# Altium PCB 39-996 - SM Clock-Timer.PcbDoc
Units mm, origin at the board's own origin, x right, y up, seen from the top; angles counter-clockwise.
Board outline 127.59 x 39.93 mm, 2 copper layers (Top Layer, Bottom Layer), stack 1.571 mm thick; 75 components, 70 nets, 286 pads, 93 vias.
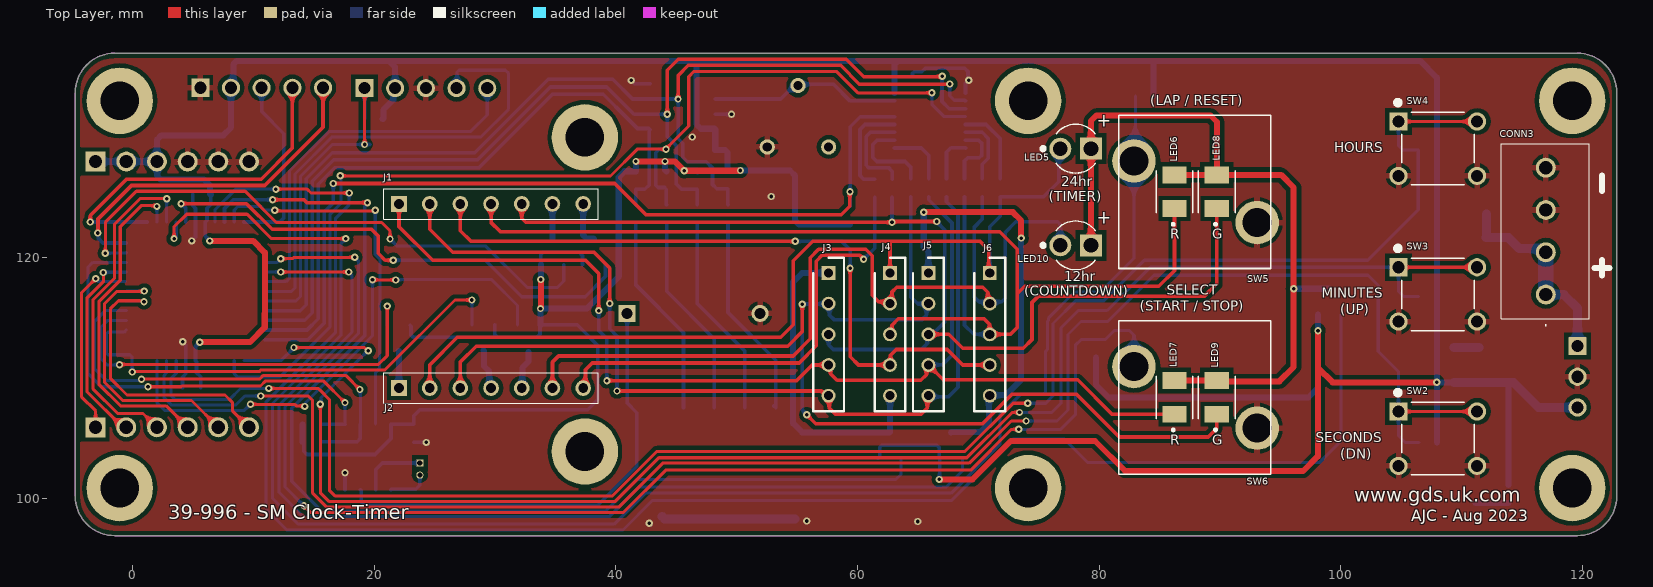
[diagram p0: Top Layer view]
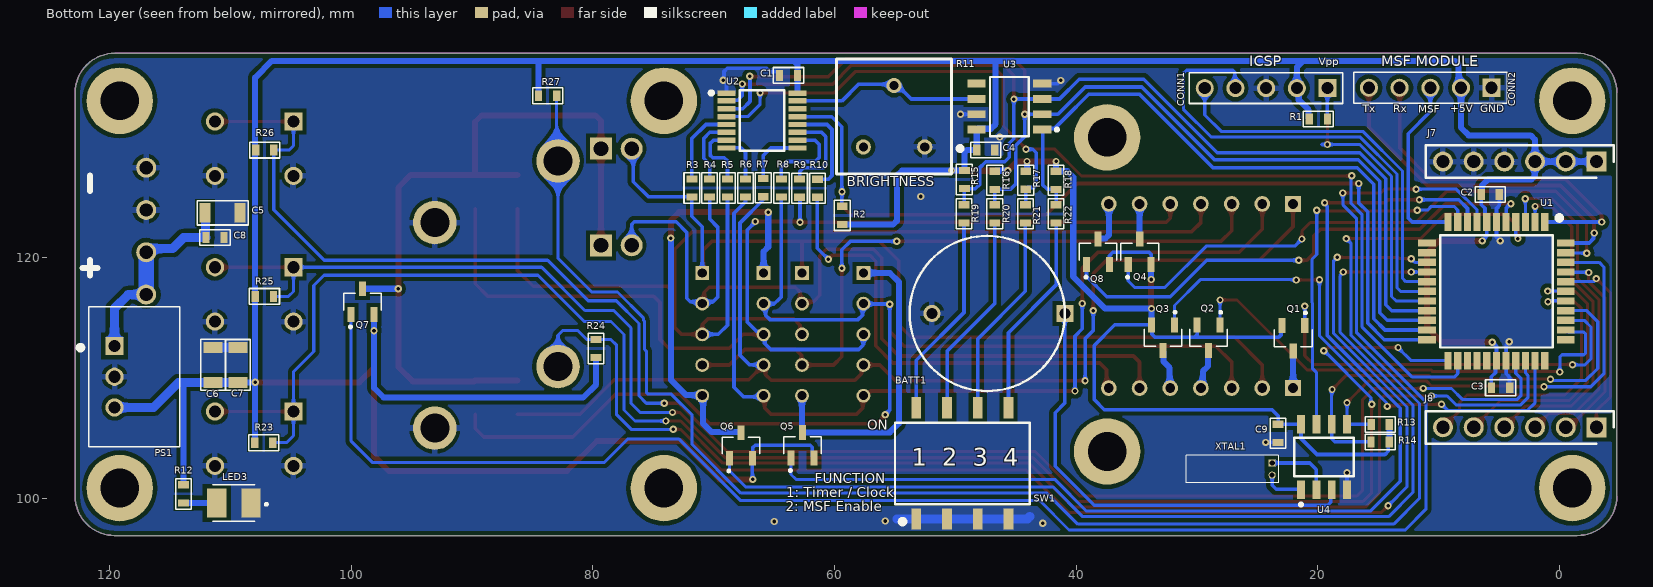
[diagram p1: Bottom Layer view, seen from below]
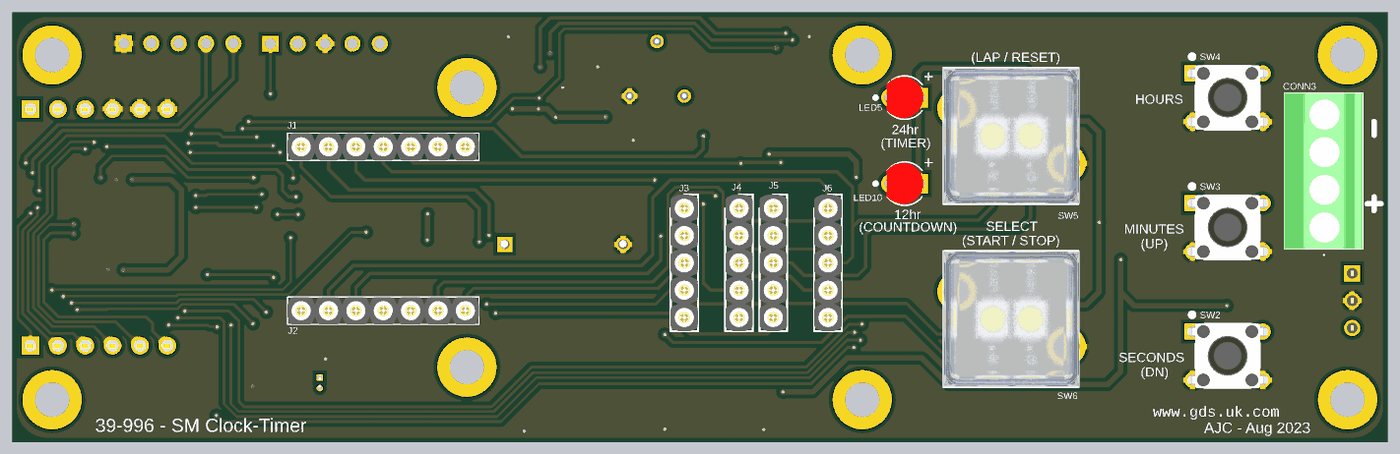
[diagram p2: 3D render of the assembled board from above, using the file's embedded part models]
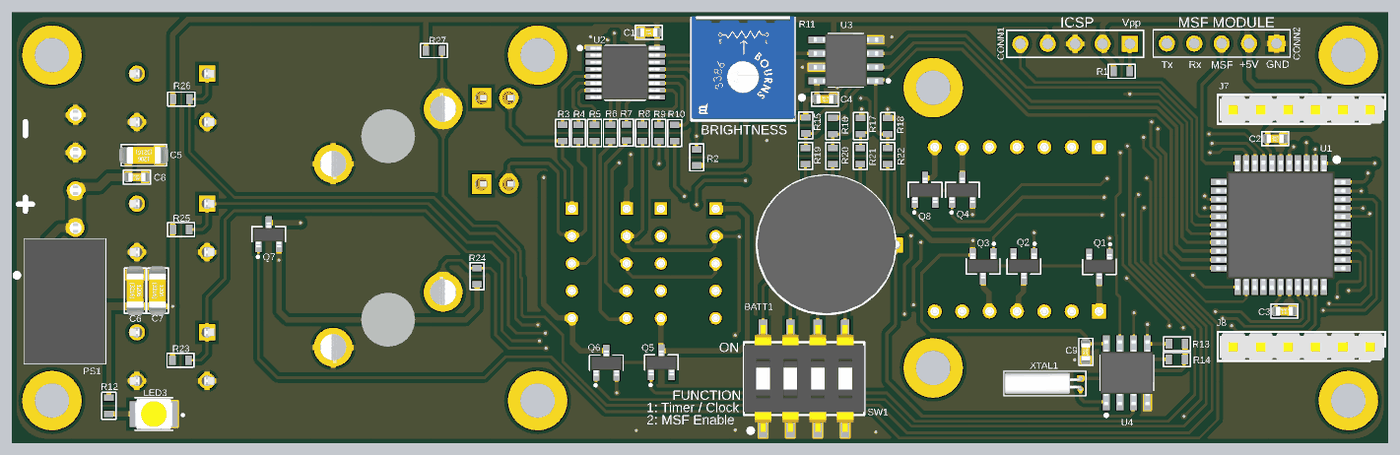
[diagram p3: 3D render of the assembled board from below, using the file's embedded part models]

## Layer stack, top to bottom
Top Solder: solder mask 0.0102, Solder Resist, Dk 3.5
Top Layer: signal copper 0.0356
Dielectric 1: dielectric 1.5, FR-4, Dk 4.8
Bottom Layer: signal copper 0.0356
Bottom Solder: solder mask 0.0102, Solder Resist, Dk 3.5

## Board outline
-4.75,100.189 -4.75,133.615 cw(c-1.499,133.614) -1.5,136.865 119.588,136.865 cw(c119.587,133.614) 122.838,133.615 122.838,100.189 cw(c119.587,100.19) 119.588,96.939 -1.5,96.939 cw(c-1.499,100.19)

## Design rules (kind name [scope] priority, off if disabled: settings)
AssemblyTestPointUsage AssemblyTestPointUsage_1 [All] p1:
AssemblyTestpoint AssemblyTestpoint_1 [All] p1: testpointundercomponent=TRUE minsize=1.016 maxsize=2.54 preferedsize=1.524 minholesize=0 maxholesize=1.016 preferedholesize=0.813 testpointgrid=0.025 usegrid=TRUE gridtolerance=0 allowsidetop=TRUE allowsidebottom=TRUE
Clearance Clearance_1 [All] p1: gap=0.35 ignorepadtopadclearanceinfootprint=FALSE except(0: Arc-Hole Track-Hole SMDPad-Hole THPad-Hole Via-Hole Fill-Hole Poly-Hole Region-Hole Text-Hole; 0.2: Arc-Arc Arc-Track Arc-SMDPad Arc-THPad Arc-Via Track-Track Track-SMDPad Track-THPad Track-Via Track-Region SMDPad-SMDPad SMDPad-THPad SMDPad-Via SMDPad-Region THPad-THPad THPad-Via Via-Via)
ComponentClearance ComponentClearance_1 [All] p1: gap=0.254 collisioncheckmode=3 verticalgap=0.254 showdistances=FALSE
DiffPairsRouting DiffPairsRouting_1 [All] p1: maxlimit=0.254 minlimit=0.254 mostfreqgap=0.254 toplayer_minwidth=0.381 toplayer_maxwidth=0.381 toplayer_prefwidth=0.381 bottomlayer_minwidth=0.381 bottomlayer_maxwidth=0.381 bottomlayer_prefwidth=0.381 maxuncoupledlength=12.7
FabricationTestPointUsage FabricationTestPointUsage_1 [All] p1: valid=0 allowmultiple=FALSE
FabricationTestpoint FabricationTestpoint_1 [All] p1: side=3 testpointundercomponent=TRUE minsize=1.016 maxsize=2.54 preferedsize=1.524 minholesize=0 maxholesize=1.016 preferedholesize=0.813 testpointgrid=0.025 allowsidetop=TRUE allowsidebottom=TRUE usegrid=TRUE gridtolerance=0
FanoutControl Fanout_BGA_1 [IsBGA] p1: bgadir=Out bgaviamode=Centered fanoutstyle=Auto fanoutdirection=Alternating viagrid=0.025 // Fanout_BGA (Default Rule)
FanoutControl Fanout_LCC_1 [IsLCC] p2: bgadir=Out bgaviamode=Centered fanoutstyle=Auto fanoutdirection=Alternating viagrid=0.025 // Fanout_LCC (Default Rule)
FanoutControl Fanout_SOIC_1 [IsSOIC] p3: bgadir=Out bgaviamode=Centered fanoutstyle=Auto fanoutdirection=Alternating viagrid=0.025 // Fanout_SOIC (Default Rule)
FanoutControl Fanout_Small_1 [(CompPinCount < 5)] p4: bgadir=Out bgaviamode=Centered fanoutstyle=Auto fanoutdirection=OutThenIn viagrid=0.025 // Fanout_Small (Default Rule)
FanoutControl Fanout_Default_1 [All] p5: bgadir=Out bgaviamode=Centered fanoutstyle=Auto fanoutdirection=Alternating viagrid=0.025 // Fanout_Default (Default Rule)
Height Height_1 [All] p1: minheight=0 maxheight=50 prefheight=12.7
HoleSize HoleSize_1 [All] p1: absolutevalues=TRUE maxlimit=6 minlimit=0.025 maxpercent=80.000 minpercent=20.000
HoleToHoleClearance HoleToHoleClearance_1 [All] p1: gap=0.254 allowstackedmicrovias=TRUE
LayerPairs LayerPairs_1 [All] p1: enforce=TRUE
MinimumSolderMaskSliver MinimumSolderMaskSliver_1 [All] p1 off: minsoldermaskwidth=0
NetAntennae NetAntennae_1 [All] p1 off: netantennaetolerance=0
PasteMaskExpansion PasteMaskExpansion_1 [All] p1: expansion=0
PlaneClearance PlaneClearance_1 [All] p1: clearance=0.508
PlaneConnect PlaneConnect_1 [All] p1: planeconnectstyle=Relief reliefexpansion=0.508 reliefentries=4 reliefconductorwidth=0.254 reliefairgap=0.254
PolygonConnect PolygonConnect_1 [All] p1: thpad.connectstyle=Relief thpad.reliefconductorwidth=0.5 thpad.reliefentries=4 thpad.polygonreliefangle="90 Angle" thpad.airgapwidth=0.3 smdpad.connectstyle=Direct smdpad.reliefconductorwidth=0.254 smdpad.reliefentries=4 smdpad.polygonreliefangle="45 Angle" smdpad.airgapwidth=0.254 via.connectstyle=Direct via.reliefconductorwidth=0.254 via.reliefentries=4 via.polygonreliefangle="45 Angle" via.airgapwidth=0.254
RoomDefinition "39-996 - SM Clock-Timer" [InComponentClass('39-996 - SM Clock-Timer')] p1: confinementstyle=ConfineOut formatcopy=TRUE lockcomponents=FALSE outline -71.833,-48.261 -21.033,-48.261 -21.033,-22.861 -71.833,-22.861
RoutingCorners RoutingCorners_1 [All] p1: cornerstyle=45-Degree minsetback=2.54 maxsetback=2.54
RoutingLayers RoutingLayers_1 [All] p1: top layer_v5=TRUE bottom layer_v5=TRUE
RoutingPriority RoutingPriority_1 [All] p1: routingpriority=0
RoutingTopology RoutingTopology_1 [All] p1: topology=Shortest
RoutingVias RoutingVias_1 [All] p1: holewidth=0.4 width=0.8 viastyle="Through Hole" minholewidth=0.4 minwidth=0.8 maxholewidth=0.8 maxwidth=1.27
ShortCircuit ShortCircuit_1 [All] p1: allowed=FALSE
SilkToBoardRegionClearance SilkToBoardRegionClearance_1 [All] p2:
SilkToSilkClearance SilkToSilkClearance_1 [All] p1: silktosilkclearance=0
SilkToSolderMaskClearance SilkToSolderMaskClearance_1 [IsPad] p1 off: minsilkscreentomaskgap=0 clearancetoexposedcopper=TRUE
SolderMaskExpansion SolderMaskExpansion_1 [All] p1: expansion=0.102 istentingtop=FALSE
UnRoutedNet UnRoutedNet_1 [All] p1:
UnpouredPolygon UnpouredPolygon_1 [All] p1:
Width Width_1 [All] p1: maxlimit=2 minlimit=0.254 preferedwidth=0.5
1 further rules are at their usual default settings.

## Components (designator, comment, footprint, x,y, rotation, side; value= is the part's Value field where it differs from the comment)
BATT1 "CR1220MFR FH" CR1220MFRFH 40.93,115.329 r180 bottom
C1 "100nF" C0603 63.802,135.035 r180 bottom
C2 "100nF" C0603 5.715,125.184 r0 bottom
C3 "100nF" C0603 4.864,109.182 r0 bottom
C4 "100nF" C0603 47.473,128.854 r0 bottom
C5 "10uF" C1206 110.638,123.651 r0 bottom
C6 "10uF" C1206 111.437,111.076 r270 bottom
C7 "10uF" C1206 109.363,111.074 r270 bottom
C8 "100nF" C0603 111.276,121.609 r0 bottom
C9 "100nF" C0603 23.279,105.407 r90 bottom
CONN1 "NO FIT" ICSP 24.269,133.977 r0 bottom
CONN2 "NO FIT" ICSP 10.681,134.01 r0 bottom
CONN3 "1751264" 1751264 116.967,116.892 r90 top
J1 "1X7 Socket" D019970742 22.047,124.395 r0 top locked
J2 "1X7 Socket" D019970742 22.047,109.155 r0 top locked
J3 "1X5 Socket" D01-9970542 57.607,118.68 r270 top locked
J4 "1X5 Socket" D01-9970542 62.687,118.68 r270 top locked
J5 "1X5 Socket" D01-9970542 65.862,118.68 r270 top locked
J6 "1X5 Socket" D01-9970542 70.942,118.68 r270 top locked
J7 "SLW-106-01-G-S" SLW-106-01-G-S -3.067,127.902 r0 bottom
J8 "SLW-106-01-G-S" SLW-106-01-G-S -3.067,105.902 r0 bottom
LED3 "RED" LED_PLCC2 109.713,99.633 r0 bottom value="LS T676-Q1R2-1-Z"
LED5 "Red" LED_3MM 78.054,128.967 r0 top
LED6 "LS T676-Q1R2-1-Z" PLCC-2 86.23,125.401 r90 top
LED7 "LS T676-Q1R2-1-Z" PLCC-2 86.23,108.384 r90 top
LED8 "LG T67K-G2K1-24-Z" PLCC-2 89.73,125.401 r90 top
LED9 "LG T67K-G2K1-24-Z" PLCC-2 89.73,108.384 r90 top
LED10 "Red" LED_3MM 78.054,120.966 r0 top
PS1 "MP-K7805-500R3" CONV_K7805-500R3 117.962,110.088 r270 bottom
Q1 "SI2315BDS-T1-E3" SOT23-3 22.022,113.284 r270 bottom
Q2 "SI2315BDS-T1-E3" SOT23-3 29.032,113.322 r270 bottom
Q3 "SI2315BDS-T1-E3" SOT23-3 32.804,113.322 r270 bottom
Q4 "SI2315BDS-T1-E3" SOT23-3 34.734,120.434 r90 bottom
Q5 "SI2315BDS-T1-E3" SOT23-3 62.642,104.429 r90 bottom
Q6 "SI2315BDS-T1-E3" SOT23-3 67.742,104.4 r90 bottom
Q7 "SI2315BDS-T1-E3" SOT23-3 99.058,116.312 r90 bottom
Q8 "SI2315BDS-T1-E3" SOT23-3 38.185,120.434 r90 bottom
R1 "4.7k" R0603 19.95,131.432 r0 bottom
R2 "10k" R0603 59.36,123.444 r270 bottom
R3 "100" R0603 71.802,125.713 r270 bottom
R4 "100" R0603 70.333,125.713 r270 bottom
R5 "100" R0603 68.847,125.713 r270 bottom
R6 "100" R0603 67.361,125.713 r270 bottom
R7 "100" R0603 65.894,125.739 r270 bottom
R8 "100" R0603 64.389,125.713 r270 bottom
R9 "100" R0603 62.88,125.699 r270 bottom
R10 "100" R0603 61.413,125.694 r270 bottom
R11 "10k" TRIM_3386F-1-103LF 55.067,132.918 r180 bottom
R12 "1k" R0603 113.878,100.391 r90 bottom
R13 "10k" R0603 14.821,106.143 r180 bottom
R14 "10k" R0603 14.833,104.683 r180 bottom
R15 "100k" R0603 49.251,126.411 r90 bottom
R16 "100k" R0603 46.736,126.349 r90 bottom
R17 "100k" R0603 44.171,126.349 r90 bottom
R18 "100k" R0603 41.656,126.349 r90 bottom
R19 "4.7k" R0603 49.276,123.574 r90 bottom
R20 "4.7k" R0603 46.736,123.574 r90 bottom
R21 "4.7k" R0603 44.196,123.574 r90 bottom
R22 "4.7k" R0603 41.656,123.574 r90 bottom
R23 "10k" R0603 107.238,104.63 r0 bottom
R24 "10k" R0603 79.73,112.425 r270 bottom
R25 "10k" R0603 107.182,116.745 r0 bottom
R26 "10k" R0603 107.159,128.846 r0 bottom
R27 "10k" R0603 83.739,133.345 r0 bottom
SW1 "DS04-254-2-04BK-SMT" SW_DS04-254-2-04BK-SMT 49.409,102.921 r90 bottom
SW2 "TS02-66-160-BK-260-LCR-D" SW_TS02-66-160-BK-260-LCR-D 108.026,104.964 r0 top
SW3 "TS02-66-160-BK-260-LCR-D" SW_TS02-66-160-BK-260-LCR-D 108.026,116.902 r0 top
SW4 "TS02-66-160-BK-260-LCR-D" SW_TS02-66-160-BK-260-LCR-D 108.026,128.967 r0 top
SW5 "95-313.000" PUSHBUTTON_95-313.000 87.98,125.401 r90 top
SW6 "95-313.000" PUSHBUTTON_95-313.000 87.98,108.384 r90 top
U1 "PIC18F4520-I_PT" TQFP-44 5.207,117.157 r270 bottom value=PIC18F4520-I/PT
U2 "TLC5917IPWR" SOIC-16 66.002,131.296 r180 bottom
U3 "MCP41010-I/SN" SOIC-8 45.528,132.448 r0 bottom
U4 "DS1307Z+" SOIC-8 19.478,103.453 r90 bottom value=1.75mm
XTAL1 "AB26T-32.768KHZ-E" AB26T32768KHZE 23.774,102.448 r0 bottom value=https://abracon.com/Resonators/AB26T.pdf

## Footprints (in the part's own frame and the unit in brackets; to place one, negate y for a bottom-side part, rotate by r counter-clockwise, add the part's x,y. Pads: shape width x height; smd on the part's side, far side on the other; paste and mask are expansions set on the pad)
1751264 [mm]
  round 1.65 hole 1.1: 1(0,0) 2(3.5,0) 3(7,0) 4(10.5,0)
  silkscreen extent -2.6,-3.6 12.5,3.7, body extent -2,-3.6 12.5,3.7, height 8.5
AB26T32768KHZE [mm]
  rect 0.6x0.6 hole 0.44: 1(0,-0.5)
  round 0.6 hole 0.4: 2(0,0.5)
  silkscreen extent -0.51,-1.16 7.11,1.12, body extent -0.14,-1.03 7,0.97, height 2
C0603 [mm] "0603 Capacitor Package"
  rect 0.6x0.9 smd: 1(-0.75,0) 2(0.75,0)
  silkscreen extent -1.25,-0.65 1.25,0.65, body extent -1.23,-0.4 1.23,0.4, height 0.8
C1206 [mm] "1206 Capacitor Package"
  rect 0.9x1.6 smd: 1(-1.45,0) 2(1.45,0)
  silkscreen extent -2.1,-1 2.1,1, body extent -2.27,-0.8 2.27,0.8, height 1.25
CONV_K7805-500R3 [mm]
  rect 1.508x1.508 hole 1: 1(-2.54,-1.625)
  round 1.508 hole 1: 2(0,-1.625) 3(2.54,-1.625)
  silkscreen extent -5.8,-4.64 5.8,3.77, body extent -5.8,-3.77 5.8,3.77, height 10.16
CR1220MFRFH [mm] "CR1220MFRFH"
  rect 1.408x1.408 / inner round 0 / far side rect 1.408x1.408 hole 0.9: +(0,0)
  round 1.408 / inner round 0 / far side round 1.408 hole 0.9: -(-11,0)
  silkscreen extent -12.85,-6.43 0,6.43, body extent -12.82,-6.37 0.38,6.48, height 3.05
D01-9970542 [mm]
  rect 1.15x1.15 / inner round 1.15 / far side rect 1.15x1.15 hole 0.75: 1(0,0)
  round 1.15 hole 0.75: 2(2.54,0) 3(5.08,0) 4(7.62,0) 5(10.16,0)
  silkscreen extent -1.27,-1.27 11.43,1.27, body extent -1.27,-1.27 11.43,1.27, height 4.3
D019970742 [mm]
  rect 1.3x1.3 hole 0.8: 1(0,0)
  round 1.3 hole 0.8: 2(2.54,0) 3(5.08,0) 4(7.62,0) 5(10.16,0) 6(12.7,0) 7(15.24,0)
  silkscreen extent -1.27,-1.27 16.51,1.27, body extent -1.27,-1.27 16.51,1.27, height 4.3
ICSP [mm] "ICSP Header"
  rect 1.5x1.5 hole 1: 1(-5.08,0)
  round 1.5 hole 1: 2(-2.54,0) 3(0,0) 4(2.54,0) 5(5.08,0)
  silkscreen extent -6.35,-1.27 6.35,1.27
LED_3MM [mm]
  rect 1.815x1.815 hole 1.21: A(1.27,0)
  round 1.815 hole 1.21: C(-1.27,0)
  silkscreen extent -2.85,-2.03 1.62,2.03, body extent -1.75,-1.9 1.75,1.94, height 20.39
LED_PLCC2 [mm]
  rect 1.6x2.4 smd: 1(-1.425,0) 2(1.425,0)
  silkscreen extent -2.79,-1.51 1.75,1.51, body extent -1.75,-1.4 1.75,1.4, height 1.9
PLCC-2 [mm]
  rect 1.4x2 smd: A(1.4,0) C(-1.4,0)
  silkscreen extent -2.79,-1.51 1.75,1.51, body extent -1.75,-1.4 1.75,1.4, height 1.9
PUSHBUTTON_95-313.000 [mm] "DCDC Converter"
  round 3.6 hole 2.4: 1(2.55,5.1) 2(-2.55,-5.1)
  silkscreen extent -6.35,-6.22 6.35,6.35, body extent -6.27,-6.27 6.27,6.28, height 23.6
R0603 [mm] "0603 Resistor Package"
  rect 0.6x0.9 smd: 1(-0.75,0) 2(0.75,0)
  silkscreen extent -1.25,-0.65 1.25,0.65, body extent -1.23,-0.4 1.23,0.4, height 0.8
SLW-106-01-G-S [mm]
  rect 1.65x1.65 / inner round 1.65 / far side rect 1.65x1.65 hole 1.1: 1(0,0)
  round 1.65 hole 1.1: 2(2.54,0) 3(5.08,0) 4(7.62,0) 5(10.16,0) 6(12.7,0)
  silkscreen extent -1.42,-1.35 14.12,1.35, body extent -1.31,-1.22 13.93,1.32, height 4.67
SOIC-8 [mm]
  rect 1.525x0.65 smd: 1(-2.712,1.905) 2(-2.712,0.635) 3(-2.712,-0.635) 4(-2.712,-1.905) 5(2.712,-1.905) 6(2.712,-0.635) 7(2.712,0.635) 8(2.712,1.905)
  silkscreen extent -4.06,-2.45 1.6,2.45, body extent -3,-2.45 3,2.45, height 1.75
SOIC-16 [mm]
  rect 1.475x0.45 smd: 1(-2.938,2.275) 2(-2.938,1.625) 3(-2.938,0.975) 4(-2.938,0.325) 5(-2.938,-0.325) 6(-2.938,-0.975) 7(-2.938,-1.625) 8(-2.938,-2.275) 9(2.938,-2.275) 10(2.938,-1.625) 11(2.938,-0.975) 12(2.938,-0.325) 13(2.938,0.325) 14(2.938,0.975) 15(2.938,1.625) 16(2.938,2.275)
  silkscreen extent -4.34,-2.5 1.85,2.5, body extent -3.2,-2.5 3.2,2.5, height 1.13
SOT23-3 [mm]
  rect 1.23x0.59 smd: 1(-1.06,0.95) 2(-1.06,-0.95) 3(1.06,0)
  silkscreen extent -2.2,-1.56 0.7,1.56, body extent -1.2,-1.45 1.1,1.45, height 1.1
SW_DS04-254-2-04BK-SMT [mm]
  rect 1.75x0.8 smd: 1(-4.6,3.81) 2(-4.6,1.27) 3(-4.6,-1.27) 4(-4.6,-3.81) 5(4.6,-3.81) 6(4.6,-1.27) 7(4.6,1.27) 8(4.6,3.81)
  silkscreen extent -5.03,-5.58 3.38,5.58, body extent -4.95,-5.59 4.95,5.57, height 3.99
SW_TS02-66-160-BK-260-LCR-D [mm]
  rect 1.508x1.508 / inner round 1.508 / far side rect 1.508x1.508 hole 1: 1(-3.25,2.25)
  round 1.508 hole 1: 1(3.25,2.25) 2(-3.25,-2.25) 2(3.25,-2.25)
  silkscreen extent -3.5,-3 3,4.01, body extent -3.95,-3 3.95,3, height 16
TQFP-44 [mm]
  rect 1.475x0.6 smd: 1(-5.738,4) 2(-5.738,3.2) 3(-5.738,2.4) 4(-5.738,1.6) 5(-5.738,0.8) 6(-5.738,0) 7(-5.738,-0.8) 8(-5.738,-1.6) 9(-5.738,-2.4) 10(-5.738,-3.2) 11(-5.738,-4) 23(5.738,-4) 24(5.738,-3.2) 25(5.738,-2.4) 26(5.738,-1.6) 27(5.738,-0.8) 28(5.738,0) 29(5.738,0.8) 30(5.738,1.6) 31(5.738,2.4) 32(5.738,3.2) 33(5.738,4)
  rect 0.6x1.475 smd: 12(-4,-5.738) 13(-3.2,-5.738) 14(-2.4,-5.738) 15(-1.6,-5.738) 16(-0.8,-5.738) 17(0,-5.738) 18(0.8,-5.738) 19(1.6,-5.738) 20(2.4,-5.738) 21(3.2,-5.738) 22(4,-5.738) 34(4,5.738) 35(3.2,5.738) 36(2.4,5.738) 37(1.6,5.738) 38(0.8,5.738) 39(0,5.738) 40(-0.8,5.738) 41(-1.6,5.738) 42(-2.4,5.738) 43(-3.2,5.738) 44(-4,5.738)
  silkscreen extent -6.27,-4.65 4.65,5.4, body extent -6,-6 6,6, height 1.2
TRIM_3386F-1-103LF [mm]
  round 1.258 hole 0.75: 1(2.54,-3.81) 2(0,1.27) 3(-2.54,-3.81)
  silkscreen extent -4.77,-6.05 5.63,3.48, body extent -4.76,-5.91 4.77,3.62, height 5.09

## Part data
BATT1: "Coin Cell Battery 3V2-PINHORZ40mAh", Manufacturer=Renata, Supplier Part Number=614-CR1220MFR-FH, Manufacturer Part Number="CR1220MFR FH", Supplier=Mouser
C1 C2 C3 C4 C8 C9: library part "100nF ± 10% 50V", "100nF ± 10% 50V", Manufacturer=Yageo, Manufacturer Part Number=CC0603KRX7R9BB104, Supplier Part Number=603-CC603KRX7R9BB104, Price=0.1, Supplier=Mouser
C5 C6 C7: library part "10uF ± 10% 50V", "10uF ± 10% 50V", Manufacturer=Murata, Manufacturer Part Number=GRT31CR61H106KE01L, Supplier Part Number=81-GRT31CR61H106KE1L, Price=0.5, Supplier=Mouser
CONN1 CONN2: library part ICSP, "ICSP Header - 5 Pin, 2.54mm Pitch"
CONN3: "Fixed Terminal Blocks 4P 3.5mm 90DEG", Manufacturer="Phoenix Contact", Supplier Part Number=651-1751264, Manufacturer Part Number=1751264, Price=2.62, Supplier=Mouser
J1 J2: library part D01-9970742, "IC & Component Sockets 7 WAY SIL VERT SKT", Manufacturer=Harwin, Supplier Part Number=855-D01-9970742, Manufacturer Part Number=D01-9970742, Price=1, Supplier=Mouser
J3 J4 J5 J6: library part D01-9970542, "IC & Component Sockets 5 WAY SIL VERT SKT", Manufacturer=Harwin, Supplier Part Number=855-D01-9970542, Manufacturer Part Number=D01-9970542, Price=0.7, Supplier=Mouser
J7 J8: "Headers & Wire Housings .100\" Tiger Buy Low Profile Socket Strip", Manufacturer=Samtec, Supplier Part Number=200-SLW10601GS, Manufacturer Part Number=SLW-106-01-G-S, Price=1.53, Supplier=Mouser
LED3: library part "LS T676-Q1R2-1-Z", "Standard LEDs - SMD Super Red, 645nm 180mcd, 20mA", Manufacturer="ams OSRAM", Supplier Part Number=720-LST676-Q1R2-1-Z, Manufacturer Part Number="LS T676-Q1R2-1-Z", Price=0.3, Supplier=mouser
LED5 LED10: library part WP132XID, "Standard LEDs - Through Hole RED DIFFUSED", Manufacturer=Kingbright, Supplier Part Number=604-WP132XID, Colour=Red, Height=mm, Manufacturer Part Number=WP132XID, Price=0.28, Supplier=Mouser
LED6 LED7: "Standard LEDs - SMD Super Red, 645nm 180mcd, 20mA", Manufacturer="ams OSRAM", Supplier Part Number=720-LST676-Q1R2-1-Z, Manufacturer Part Number="LS T676-Q1R2-1-Z", Price=0.3, Supplier=Mouser
LED8 LED9: "Standard LEDs - SMD Green 570nm, 20mA", Manufacturer="ams OSRAM", Supplier Part Number=720-LGT67KG2K124Z, Manufacturer Part Number="LG T67K-G2K1-24-Z", Price=0.3, Supplier=Mouser
PS1: "Linear Regulator Replacement DC DC Converter 1 Output 5V, -5V - - - 500mA, 300mA 6.5V, 7V - 36V, 31V Input", Manufacturer="MULTICOMP PRO", Supplier Part Number=3584025, Manufacturer Part Number=MP-K7805-500R3, Price=None, Supplier=Farnell
Q1 Q2 Q3 Q4 Q5 Q6 Q7 Q8: "MOSFET 1.8V 3.2A 1.25W", Manufacturer="Vishay Semiconductors", Supplier Part Number=781-SI2315BDS-E3, Manufacturer Part Number=SI2315BDS-T1-E3, Price=0.5, Supplier=Mouser
R1 R19 R20 R21 R22: library part "4.7 kOhms ±1% 0.1W", "4.7 kOhms ±1% 0.1W", Manufacturer=Yageo, Manufacturer Part Number=RC0603FR-074K7L, Supplier Part Number=603-RC0603FR-074K7L, Price=0.1, Supplier=Mouser
R2 R13 R14 R23 R24 R25 R26 R27: library part "10 kOhms ±1% 0.1W", "10 kOhms ±1% 0.1W", Manufacturer=Yageo, Manufacturer Part Number=RC0603FR-0710KL, Supplier Part Number=603-RC0603FR-0710KL, Price=0.1, Supplier=Mouser
R3 R4 R5 R6 R7 R8 R9 R10: library part "100 Ohms ±1% 0.1W", "100 Ohms ±1% 0.1W", Manufacturer=Yageo, Manufacturer Part Number=RC0603FR-07100RL, Supplier Part Number=603-RC0603FR-07100RL, Price=0.1, Supplier=Mouser
R11: library part 3386F-1-103LF, "Trimmer Resistors - Through Hole 3/8\" 10Kohms 10% 0.5Watts Square", Manufacturer=Bourns, Supplier Part Number=652-3386F-1-103LF, Manufacturer Part Number=3386F-1-103LF, Price=1.5, Supplier=Mouser
R12: library part "1 kOhms ±1% 0.1W", "1 kOhms ±1% 0.1W", Manufacturer=Yageo, Manufacturer Part Number=RC0603FR-071KL, Supplier Part Number=603-RC0603FR-071KL, Price=0.1, Supplier=Mouser
R15 R16 R17 R18: library part "100 kOhms ±1% 0.1W", "100 kOhms ±1% 0.1W", Manufacturer=Yageo, Manufacturer Part Number=RC0603FR-07100KL, Supplier Part Number=603-RC0603FR-07100KL, Price=0.1, Supplier=Mouser
SW1: "DIP Switches/SIP Switches DIP Switch, SPST, 2.54 pitch, flat actuator, SMT, 4 position, Black", Manufacturer="CUI Devices", Supplier Part Number=490-DS04254204BK-SMT, Manufacturer Part Number=DS04-254-2-04BK-SMT, Price=0.6, Supplier=Mouser
SW2 SW3 SW4: "Tactile Switches 6 x 6 mm, 16 mm Act Height, 260 gf, Black, Long Crimped, Through Hole, SPST,", Manufacturer="CUI Devices", Supplier Part Number=179-TS0266160BK260LC, Manufacturer Part Number=TS02-66-160-BK-260-LCR-D, Price=0.12, Supplier=Mouser
SW5 SW6: "Switching element square, 12.7 x 12.7 mm", Manufacturer=eao, Manufacturer Part Number=95-313.000
U1: "MCU 32 KB Flash,1536 RAM, 36 I/O", Manufacturer=Microchip, Manufacturer Part Number=PIC18F4520-I/PT, Supplier Part Number=579-PIC18F4520-I/PT, Price=6, Supplier=Mouser
U2: "LED Lighting Drivers 8B Constant-Current LED Sink", Manufacturer="Texas Instruments", Supplier Part Number=595-TLC5917IPWR, Manufacturer Part Number=TLC5917IPWR, Price=1.8, Supplier=Mouser
U3: "Digital Potentiometer 10K 256pos SPI SO8", Manufacturer=Microchip, Supplier Part Number=579-MCP41010-I/SN, Manufacturer Part Number=MCP41010-I/SN, Price=1.8, Supplier=Mouser
U4: "DS1307Z+, Real Time Clock, Alarm, Calendar, Clock, 56B RAM, I2C, 5V, 8-Pin SOIC", Manufacturer="Analog Devices", Supplier Part Number=700-DS1307Z, Manufacturer Part Number=DS1307Z+, Price=4.5, Supplier=Mouser
XTAL1: "OSC XO 1.33GHZ 2.5V LVPECL", Manufacturer=ABRACON, Supplier Part Number=815-AB26T32.768KHZE, Manufacturer Part Number=AB26T-32.768KHZ-E, Price=0.15, Supplier=Mouser

## Free pads (board coordinates)
  round 5.5 hole 3.2 unplated: 0(-1.067,100.876) 0(-1.067,132.928) 0(37.433,103.902) 0(37.433,129.902) 0(74.117,100.876) 0(74.117,132.928) 0(119.156,100.876) 0(119.156,132.928)

## Via types
v1: diameter 0.6, hole 0.3, Top Layer to Bottom Layer, tented both sides, 93 vias
